# Altium PCB FOC-PMSM.PcbDoc (part 2 of 2)
Units mm, origin at the board's own origin, x right, y up, seen from the top; angles counter-clockwise.
Board outline 99.83 x 99.65 mm, 2 copper layers (Top Layer, Bottom Layer); 90 components, 58 nets, 267 pads, 509 vias.
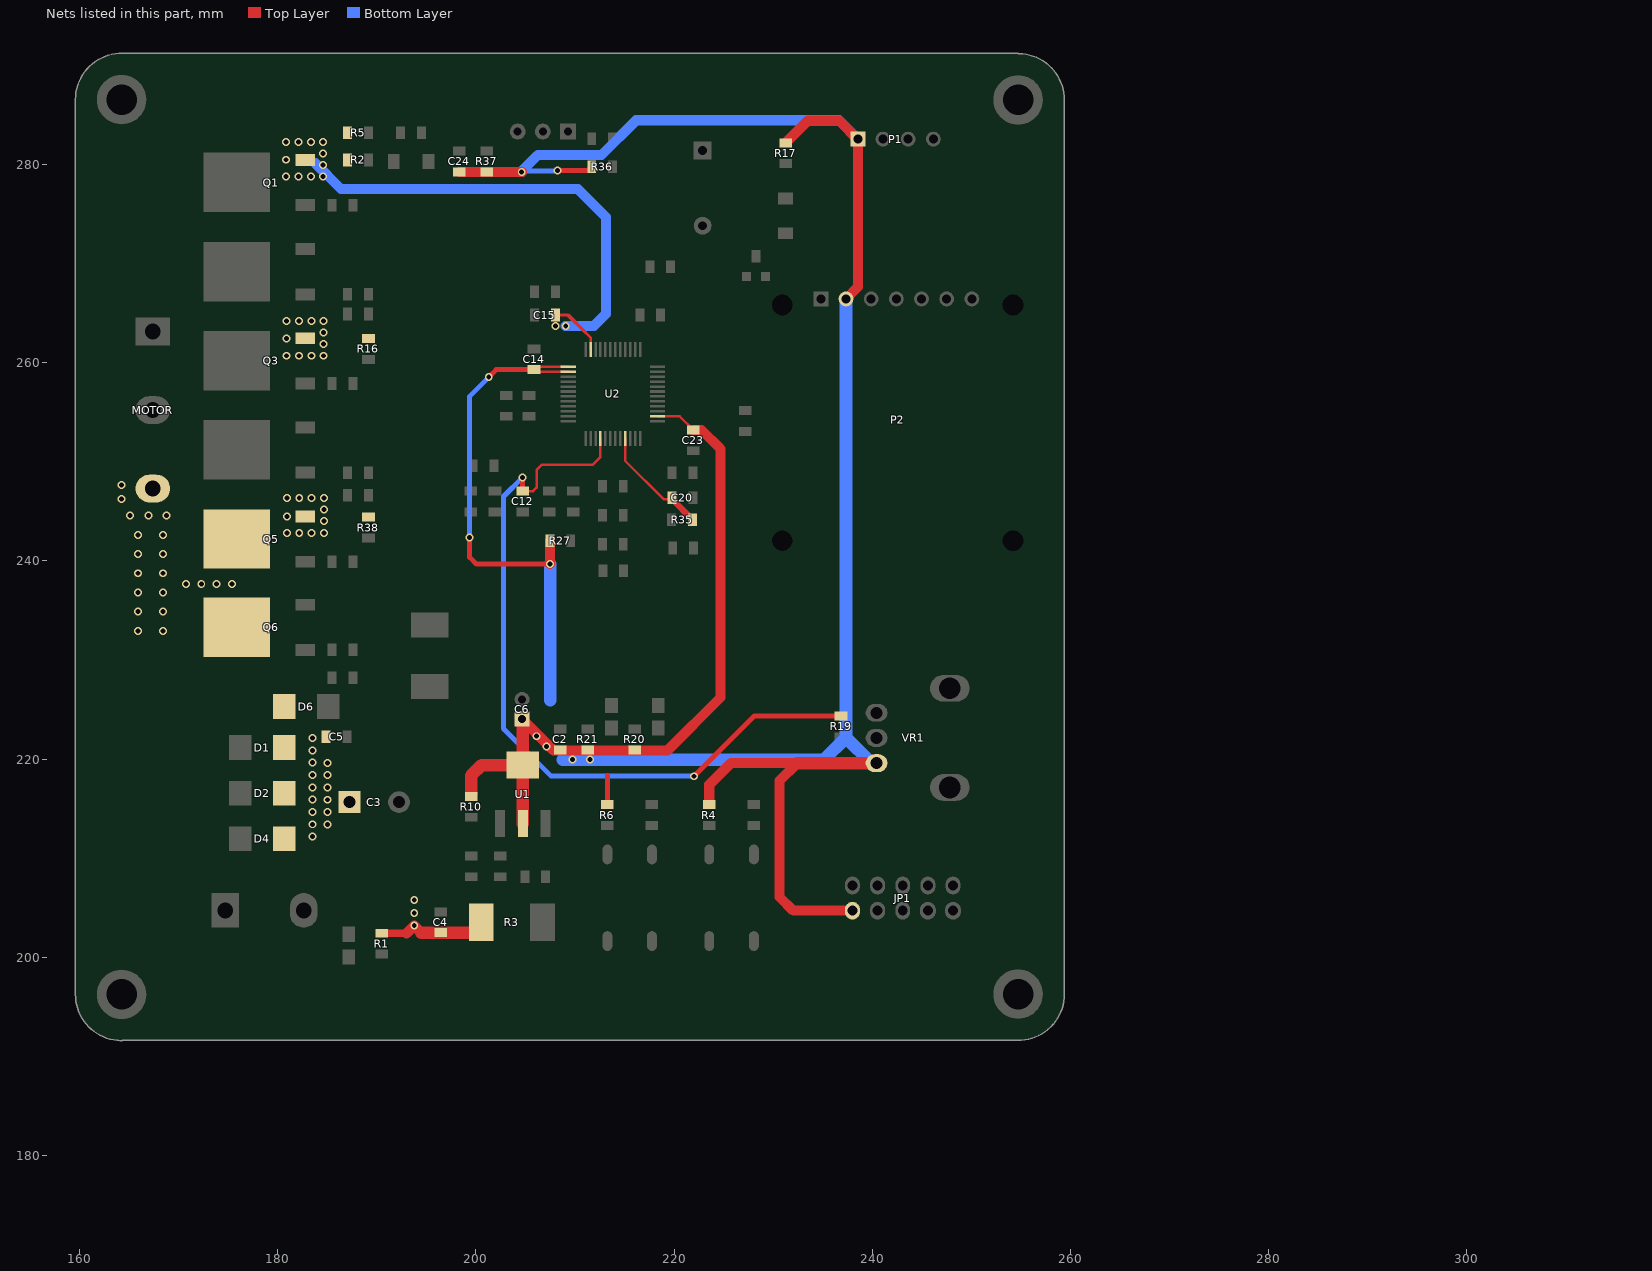
[diagram p2: the nets of this part, all layers, seen from the top]

## Via types
v1: diameter 0.8, hole 0.5, Top Layer to Bottom Layer, tented both sides, 493 vias
v2: diameter 0.8, hole 0.5, Top Layer to Bottom Layer, 16 vias

## Nets (pads, with @x,y where several pads share a name; then routed paths per layer and width w, separated by ;. In a path a pad name is that pad's centre, name@x,y a point inside that pad or via, vN(x,y) a via of type N, cw(c..) or ccw(c..) an arc to the next point about the centre after c; other vN are vias at no path point) (continued)
VCC: C3.1 C4.1 C5.1 C15.2 D1.2 D2.2 D4.2 D6.2 Q1.3 Q3.3 Q5.3 R1.2 R2.2 R3.1 R5.1 R16.2 R38.2 U2.35 | length 62.7
  Top Layer w0.254: C15.2@208.018,264.82 209.296,264.82 ; 211.049,263.068 211.574,262.542 U2.35@211.574,261.349
  Top Layer w0.352: 209.296,264.82 211.049,263.068
  Top Layer w0.762: R1.2@190.5,202.408 193.01,202.408
  Top Layer w1.016: 193.01,202.408 v1(193.777,203.175) 194.484,202.468 ; R3.1@199.49,202.468 R3.1@200.533,203.511
  Top Layer w1.27: 194.484,202.468 C4.1@196.469,202.468 R3.1@199.49,202.468
  Bottom Layer w1.016: 183.794,280.137 186.385,277.546 210.287,277.546 213.131,274.701 213.131,264.947 211.912,263.728 v1(209.067,263.728)
  other v1: 193.777,204.47 193.777,205.765 183.49,212.166 183.49,213.411 185.039,213.407 183.49,214.655 185.039,214.647 185.039,215.887 183.49,215.9 185.039,217.128 183.49,217.145 185.039,218.368 183.49,218.389 185.039,219.608 183.49,219.634 183.49,220.878 183.49,222.123 180.924,242.824 182.169,242.824 183.413,242.824 184.658,242.824 184.658,244.009 180.924,244.5 184.658,245.169 180.924,246.329 182.169,246.329 183.413,246.329 184.658,246.329 180.899,260.706 182.143,260.706 183.388,260.706 184.633,260.706 184.633,261.891 180.899,262.433 184.633,263.051 208.051,263.703 180.899,264.211 182.143,264.211 183.388,264.211 184.633,264.211 180.848,278.79 182.093,278.79 183.337,278.79 184.582,278.79 184.582,279.976 180.848,280.492 184.582,281.136 180.848,282.296 182.093,282.296 183.337,282.296 184.582,282.296
VDD5: C2.1 C6.1 C14.1 C23.2 C24.1 JP1.1 P1.1 P2.2 R4.1 R6.1 R10.2 R17.1 R20.1 R21.1 R27.2 R36.1 R37.1 U1.2 U1.4 U2.14 U2.37 U2.38 VR1.1 | length 336.4
  Top Layer w0.254: U2.38@209.324,259.099 206.068,259.099 C14.1@205.867,259.3 206.166,259.599 U2.37@209.324,259.599 ; U2.14@218.324,254.599 220.567,254.599 C23.2@221.945,253.221
  Top Layer w0.508: v1(199.365,242.341) 199.365,240.36 200.05,239.674 v1(207.493,239.674) ; v1(201.295,258.547) 201.295,258.555 202.04,259.3 C14.1@205.867,259.3 ; v1(204.625,279.276) v1@204.673,279.324 ; v1(208.255,279.4) 211.311,279.4 R36.1@211.692,279.781 ; R6.1@213.269,215.392 213.269,218.353
  Top Layer w1.016: C24.1@198.323,279.276 R37.1@201.092,279.276 v1(204.625,279.276) ; C6.1@204.664,224.028 204.738,223.954 207.813,220.878 219.354,220.878 224.688,226.212 224.688,251.308 222.775,253.221 C23.2@221.945,253.221 ; R27.2@207.475,242.037 207.493,242.019 v1(207.493,239.674) ; R4.1@223.556,215.722 223.556,217.409 225.73,219.583 VR1.1@240.443,219.583 ; R17.1@231.381,282.308 233.502,284.429 236.703,284.429 P1.1@238.557,282.575 238.557,267.64 P2.2@237.363,266.446 ; 232.435,219.583 230.657,217.805 230.657,206.07 232.039,204.688 JP1.1@238.007,204.688
  Top Layer w1.27: R10.2@199.517,216.535 199.517,218.313 200.591,219.387 U1.4@204.738,219.387 ; U1.2@204.738,213.487 U1.4@204.738,219.387 ; C6.1@204.738,223.954 U1.4@204.738,219.387 ; 232.435,219.583 VR1.1@240.443,219.583
  Bottom Layer w0.508: v1(199.365,242.341) 199.365,256.616 v1(201.295,258.547) ; v1(204.625,279.276) 204.625,279.301 204.699,279.375 208.229,279.375 v1(208.255,279.4)
  Bottom Layer w1.016: v1(204.625,279.276) 204.625,279.352 206.248,280.975 212.674,280.975 216.179,284.48 236.652,284.48 P1.1@238.557,282.575 ; VR1.1@239.928,219.583 VR1.1@240.443,219.583
  Bottom Layer w1.27: 207.493,225.958 v1(207.493,239.674) ; 208.753,219.939 235.153,219.939 237.363,222.148 ; P2.2@237.363,266.446 237.363,222.148 ; VR1.1@239.928,219.583 237.363,222.148
  other v1: 211.506,219.939 209.753,219.964 207.112,221.259 206.121,222.301
VHALF: C20.2 R35.2 U2.9 | length 11.5
  Top Layer w0.254: U2.9@215.074,252.349 215.074,250.102 218.973,246.203 C20.2@219.803,246.203
  Top Layer w0.635: C20.2@219.803,246.203 R35.2@221.861,244.145
VSP: C12.1 R19.2 U2.4 | length 78.3
  Top Layer w0.254: C12.1@204.724,247.049 205.774,247.049 206.121,247.396 206.121,249.174 206.629,249.682 211.785,249.682 212.574,250.471 U2.4@212.574,252.349
  Top Layer w0.508: C12.1@204.724,247.049 v1(204.724,248.437) ; v1(222.021,218.262) 228.109,224.35 R19.2@236.855,224.35
  Bottom Layer w0.508: v1(204.724,248.437) 202.794,246.507 202.794,223.063 207.594,218.262 v1(222.021,218.262)
W: MOTOR.3 Q5.2 Q6.2
  other v1: 165.887,232.943 168.402,232.943 165.887,234.879 168.402,234.879 165.887,236.814 168.402,236.814 170.724,237.668 172.278,237.668 173.833,237.668 175.387,237.668 165.887,238.75 168.402,238.75 165.887,240.685 168.402,240.685 165.887,242.621 168.402,242.621 165.1,244.602 166.941,244.602 168.783,244.602 164.211,246.253 164.211,247.65
pads on no net: JP1.2 JP1.4 JP1.6 JP1.8 JP1.9 JP1.10 P2.A P2.B P2.C P2.D U2.1 U2.2 U2.18 U2.23 U2.27 U2.42 U2.43 U2.44 U2.45 U2.46 U2.47 U2.48 VR1.4 VR1.5
copper on no net:
  other v2: 311.271,241.034 312.471,241.034 313.671,241.034 314.871,241.034 311.271,242.234 312.471,242.234 313.671,242.234 314.871,242.234 311.271,243.434 312.471,243.434 313.671,243.434 314.871,243.434 311.271,244.634 312.471,244.634 313.671,244.634 314.871,244.634

## Polygon pours and split planes (outlines as drawn)
no net on Top Overlay "Top Overlay-No Net" (solid, pour order 0): 240.589,232.797 240.589,229.87 252.552,229.87 252.552,229.895 252.832,229.87 252.527,229.921
GND on Bottom Layer "Top Overlay-No Net" (solid, remove dead copper, pour order 152): 198.433,195.58 249.428,195.58 258.14,204.292 258.14,222.555 252.095,228.6 235.712,218.44 245.974,206.422 235.712,201.93 221.488,201.93 219.558,213.875
W on Bottom Layer "Top Overlay-No Net" (solid, remove dead copper, pour order 128): 163.754,249.047 168.351,249.047 169.418,247.98 169.418,246.228 169.926,245.72 174.904,245.72 175.87,245.72 176.251,245.339 176.428,245.161 176.428,243.027 176.428,229.641 175.92,229.133 175.59,228.803 164.567,228.803 163.576,228.803 162.992,229.387 162.636,229.743 162.636,247.929
V on Bottom Layer "Top Overlay-No Net" (solid, remove dead copper, pour order 126): 163.525,258.597 162.56,257.632 162.56,254.356 162.56,253.111 163.601,252.07 170.358,252.07 172.39,250.038 172.39,248.869 172.39,248.336 172.923,247.802 175.946,247.802 176.53,248.387 176.53,262.636 175.819,263.347 173.888,263.347 172.974,263.347 172.695,263.068 172.39,262.763 172.39,261.925 172.39,260.68 170.307,258.597
U on Bottom Layer "Top Overlay-No Net" (solid, remove dead copper, pour order 122): 163.322,260.858 162.509,261.671 162.509,268.224 162.509,281.457 162.814,281.762 163.652,282.6 169.215,282.6 175.565,282.6 176.581,281.584 176.581,266.7 175.565,265.684 170.256,265.684 169.393,264.82 169.393,261.544 168.707,260.858
VDD5 on Bottom Layer "Top Overlay-No Net" (solid, remove dead copper, pour order 4): 207.924,226.771 214.706,219.989 214.706,219.786 209.448,219.786 208.839,220.396
GND on Bottom Layer "Top Overlay-No Net" (solid, remove dead copper, pour order 26): 241.097,282.575 237.82,285.852 241.148,285.852 242.062,285.852 243.027,284.886 243.18,285.039 243.561,285.039
VCC on Bottom Layer "Top Overlay-No Net" (solid, remove dead copper, pour order 22): 190.5,207.34 189.509,208.331 180.238,208.331 178.968,209.601 178.968,281.407 178.968,282.804 180.162,283.997 186.182,283.997 187.3,282.88 187.3,219.38 188.824,217.856 188.824,214.347 189.584,213.587 194.666,213.587 195.377,212.876 195.377,212.213 195.377,202.032 195.377,201.828 195.072,201.524 190.983,201.524 190.5,202.006
VCC on Bottom Layer "Top Overlay-No Net" (solid, remove dead copper, pour order 18): 210.109,264.236 209.702,264.643 207.696,264.643 207.467,264.643 207.061,264.236 207.061,263.068 207.416,262.712 209.372,262.712 209.677,262.712 210.287,263.322
VDD5 on Bottom Layer "Top Overlay-No Net" (solid, remove dead copper, pour order 16): 203.911,223.266 207.874,219.304 213.055,219.304 207.162,225.196 207.162,226.543 205.384,224.765
VDD5 on Bottom Layer "Top Overlay-No Net" (solid, remove dead copper, pour order 14): 240.443,219.583 240.513,219.513 240.513,218.694 235.483,218.694 234.188,219.786 240.239,219.38
GND on Bottom Layer "Top Overlay-No Net" (solid, remove dead copper, pour order 12): 241.097,282.575 241.097,283.794 239.395,285.496 240.055,286.156 240.055,286.207 239.776,286.207 239.471,286.512 241.427,286.512 242.011,286.512 243.307,285.217 241.706,283.616 241.427,283.616 240.919,283.616 240.64,283.337
VDD5 on Bottom Layer "Top Overlay-No Net" (solid, remove dead copper, pour order 10): 204.699,278.892 204.775,278.968 208.28,278.968 208.509,278.968 210.109,280.695 206.248,280.518 206.045,280.721 204.749,279.425 204.749,278.994
VDD5 on Bottom Layer "Top Overlay-No Net" (solid, remove dead copper, pour order 2): 207.996,227.36 205.181,224.028 204.664,224.028 205.588,224.028 209.067,220.548 206.019,223.596 205.511,223.596 205.562,223.596 209.169,219.989
VDD5 on Bottom Layer "Top Overlay-No Net" (solid, remove dead copper, pour order 6): 237.9,221.818 236.884,221.818 234.344,219.278 234.369,219.304 240.948,219.304 240.44,219.304 237.9,221.844
VCC on Bottom Layer "Top Overlay-No Net" (solid, remove dead copper, pour order 28): 186.842,275.107 189.281,277.546 186.868,279.959 186.817,279.959 186.817,275.361 187.249,274.93
no net on Bottom Layer "Top Overlay-No Net" (solid, pour order 103): 185.522,195.148 185.318,194.945 185.318,193.167 185.318,192.913 185.801,192.43 185.826,192.405 197.409,192.405 200.431,192.405 200.482,192.354 200.533,192.405 233.02,192.405 233.324,192.405 233.807,192.888 233.782,192.913 233.782,194.589 233.782,194.92 233.426,195.275 233.35,195.351 233.02,195.351 185.674,195.351 185.268,194.945 185.268,194.64 185.318,194.589
NetD1_1 on Bottom Layer "Top Overlay-No Net" (solid, remove dead copper, pour order 117): 177.419,200.508 177.419,222.428 176.581,223.266 176.53,223.317 171.704,223.317 164.262,223.317 162.814,221.869 162.814,201.295 164.567,199.542 176.454,199.542
GND on Bottom Layer "Top Overlay-No Net" (solid, remove dead copper, pour order 154): 192.659,207.923 180.11,207.923 179.578,207.391 179.07,206.883 179.07,198.755 179.07,196.596 179.705,195.961 180.086,195.58 192.659,195.58
GND on Bottom Layer "Top Overlay-No Net" (solid, remove dead copper, pour order 156): 258.14,278.435 247.142,289.433 192.405,289.433 190.5,289.433 187.96,286.893 187.96,280.67 187.96,279.273 188.747,278.486 202.463,278.486 204.064,282.169 205.41,282.931 205.918,282.169 206.477,281.864 207.518,281.864 208.064,282.41 208.064,284.086 208.496,284.518 210.083,284.518 210.515,284.086 210.515,282.651 210.998,282.169 212.014,282.169 212.357,282.512 215.29,285.445 237.973,285.445 239.985,283.432 239.985,281.667 239.547,281.229 237.617,281.229 237.465,281.381 237.465,281.808 236.753,283.058 236.284,283.527 225.006,283.527 224.358,282.88 224.358,280.365 223.825,279.832 221.818,279.832 221.285,280.365 221.285,283.413 220.701,283.997 216.769,283.997 212.795,280.861 212,280.377 211.277,279.654 211.277,277.651 211.941,277.141 212.09,264.287 201.27,253.467 202.603,248.755 203.403,248.488 204.025,248.841 201.27,247.279 201.27,218.948 224.282,218.948 221.817,216.483 221.817,203.506 223.266,202.057 238.76,202.057 239.801,203.098 239.878,203.784 239.42,203.937 238.989,203.937 244.043,207.01 247.574,207.01 249.301,202.057 258.14,210.896
GND on Bottom Layer "Top Overlay-No Net" (solid, remove dead copper, pour order 160): 189.992,225.933 189.992,227.152 190.346,227.733 190.395,227.815 190.435,227.94 190.435,227.99 190.435,228.411 190.094,228.752 189.961,260.777 194.361,265.176 220.218,265.176 220.218,255.016 196.469,231.267 196.469,228.854 197.675,227.647 196.596,226.568 196.596,219.329
GND on Bottom Layer "Top Overlay-No Net" (solid, remove dead copper, pour order 162): 189.992,226.662 189.992,215.163 191.148,214.008 189.992,208.661 189.992,195.58 206.375,195.58 218.948,208.153 221.361,210.566 221.361,225.425 221.361,226.06 219.71,227.711 218.186,226.187 201.016,226.187 201.016,226.568 199.238,228.346 194.513,228.346
GND on Top Layer "Top Overlay-No Net" (solid, pour order 184): 258.166,272.639 258.166,259.156 256.286,257.277 253.492,260.071 247.117,260.071 247.117,269.037 250.337,272.258
GND on Top Layer "Top Overlay-No Net" (solid, remove dead copper, pour order 182): 196.263,278.613 194.64,278.613 194.005,279.248 194.005,283.896 194.005,285.852 195.351,287.198 195.635,287.482 223.924,287.482 222.602,286.16 222.602,283.265 223.977,282.727 221.793,282.727 221.336,282.727 221.336,280.028 222.515,279.114 226.105,279.114 226.606,278.613 226.606,277.914 225.603,276.911 224.231,276.911 226.105,279.114 229.565,279.114 229.921,278.274 229.921,275.768 229.921,274.22 228.526,273.431 227.66,273.431 227.14,273.951 223.603,272.745 225.628,272.745 226.105,272.294 226.105,271.139 225.774,270.808 218.446,270.808 217.28,271.975 217.28,277.969 215.062,280.187 215.062,283.058 215.062,283.337 214.02,284.378 213.797,284.602 201.549,284.602 201.364,284.602 197.691,280.929 196.644,279.882 196.644,278.994
GND on Top Layer "Top Overlay-No Net" (solid, remove dead copper, pour order 178): 222.504,260.136 232.326,260.136 232.603,260.136 234.823,262.433 236.203,263.804 236.195,266.444 232.893,266.903 230.784,268.681 228.752,268.299 228.752,267.706 228.295,267.249 227.035,267.249 221.615,264.414 222.504,263.525
GND on Top Layer "Top Overlay-No Net" (solid, remove dead copper, pour order 168): 249.047,195.961 249.809,195.961 258.166,204.318 258.166,260.308 254.711,263.144 250.444,264.541 247.777,263.398 240.919,256.54 233.426,256.54 231.382,256.54 229.743,255.397 228.219,254.334 226.996,254.334 226.187,253.525 226.187,250.825 226.187,240.665 227.711,239.141 227.711,237.998 227.711,226.621 229.674,225.247 237.756,225.247 239.649,223.647 241.046,223.52 242.011,222.831 242.011,219.075 241.097,218.161 236.347,218.161 232.893,218.161 231.712,216.98 231.712,212.725 231.712,206.388 232.448,205.651 239.357,205.651 237.756,206.681 236.86,207.645 249.047,207.645 249.047,204.978 245.161,204.978 240.309,200.127 233.629,200.127 227.318,200.127 226.593,201.105 226.593,210.972 226.009,211.557 222.682,211.557 222.504,211.379 222.504,197.18 223.723,195.961 249.809,195.961
no net on Top Layer "Top Overlay-No Net" (solid, pour order 120): 193.192,194.589 193.218,194.564 193.218,192.938 193.218,192.786 193.573,192.43 193.599,192.405 196.494,192.405 200.762,192.405 207.035,192.405 225.222,192.405 225.374,192.557 225.704,192.888 225.704,192.913 225.704,193.929 225.654,193.98 225.654,194.589 225.654,194.894 225.298,195.25 225.196,195.351 224.307,195.351 217.297,195.351 217.246,195.402 217.195,195.351 202.768,195.351 193.65,195.351 193.497,195.199 193.192,194.894 193.192,194.589
NetD1_1 on Top Layer "Top Overlay-No Net" (solid, remove dead copper, pour order 78): 162.687,221.742 164.262,223.317 176.555,223.317 177.419,222.453 177.419,200.863 177.419,200.558 176.428,199.568 164.49,199.568 162.687,201.37
W on Top Layer "Top Overlay-No Net" (solid, remove dead copper, pour order 76): 168.291,251.19 170.815,248.666 170.815,247.498 170.815,247.345 172.542,245.618 172.923,245.237 179.222,245.237 179.222,229.921 178.156,228.854 163.551,228.854 162.585,229.819 162.585,250.419 163.357,251.19
V on Top Layer "Top Overlay-No Net" (solid, remove dead copper, pour order 72): 168.935,252.806 163.424,252.806 163.398,252.832 162.509,253.721 162.509,254.102 162.509,256.997 163.246,257.734 163.271,257.759 169.189,257.759 169.189,253.06 168.935,252.806
I_SHUNT on Top Layer "Top Overlay-No Net" (solid, remove dead copper, pour order 64): 180.645,273.964 196.901,273.964 197.815,273.05 197.815,234.925 197.815,232.867 197.206,232.258 192.913,232.258 192.405,232.258 191.516,233.147 180.899,233.147 180.213,233.832 180.213,237.363 180.213,237.388 180.823,237.998 191.059,237.998 191.059,238.023 192.278,239.243 192.278,250.012 191.287,251.003 181.204,251.003 180.746,251.003 180.188,251.562 180.188,255.067 180.188,255.397 180.696,255.905 191.745,255.905 192.278,256.438 192.278,268.427 191.643,269.062 180.848,269.062 180.797,269.062 180.238,269.621 180.238,273.558
VDD5 on Top Layer "Top Overlay-No Net" (solid, remove dead copper, pour order 62): 204.699,216.51 204.622,216.51 202.108,219.024 202.26,219.177 202.26,219.913 204.572,222.225 204.851,222.504 205.207,222.504 205.207,221.92 207.772,219.354 207.747,219.329 207.747,219.304 207.62,219.304 205.334,217.018 205.156,216.84 204.114,216.84
NetC8_1 on Top Layer "Top Overlay-No Net" (solid, remove dead copper, pour order 46): 191.719,280.326 191.719,280.467 189.509,282.677 189.459,282.727 189.459,282.981 190.297,282.981 190.322,283.007 190.449,283.134 191.872,283.134 191.872,280.478 191.719,280.326
GND on Top Layer "Top Overlay-No Net" (solid, remove dead copper, pour order 32): 233.477,255.626 233.477,254.991 232.994,254.508 233.35,254.152 236.169,254.152 236.195,254.127 236.779,254.711 236.779,256.244 235.661,256.261 235.153,255.626
VCC on Top Layer "Top Overlay-No Net" (solid, remove dead copper, pour order 80): 185.522,277.851 187.503,279.832 187.503,283.413 187.503,284.277 187.122,284.658 180.746,284.658 180.315,284.226 180.315,278.587 180.315,278.562 181.026,277.851
VCC on Top Layer "Top Overlay-No Net" (solid, remove dead copper, pour order 90): 179.461,226.578 179.461,210.718 184.48,210.718 188.341,214.579 188.341,220.193 187.808,220.726 187.782,220.751 186.055,220.751 185.979,220.751 185.496,221.234 185.496,222.783 185.141,223.139 182.753,223.139 182.372,223.52 182.372,226.619 182.016,226.974 179.857,226.974
GND on Top Layer "Top Overlay-No Net" (solid, remove dead copper, pour order 92): 186.563,223.444 185.877,224.13 185.877,225.095 185.877,226.543 190.754,226.543 191.313,227.101 191.338,227.127 191.338,228.041 191.338,228.117 191.77,228.549 191.821,228.6 194.716,228.6 195.097,228.981 195.148,229.032 195.529,229.032 195.555,229.032 195.92,228.667 208.258,228.667 217.554,237.963 218.821,237.963 220.166,239.308 222.174,239.308 223.799,237.682 223.799,226.593 222.83,225.624 222.314,225.624 219.851,226.593 217.073,226.593 216.586,226.289 215.163,226.289 214.568,226.67 212.75,226.67 212.369,226.289 212.369,224.561 211.861,224.053 210.344,224.053 209.474,222.555 207.467,222.555 206.045,223.977 206.045,224.942 205.715,225.273 203.454,225.273 203.213,225.031 203.213,223.101 202.667,222.555 198.066,222.555 197.612,222.148 197.612,209.779 198.844,208.547 198.679,207.696 196.723,206.578 196.06,206.2 195.351,206.908 190.119,206.908 189.662,206.451 189.662,204.216 188.811,203.365 188.811,202.438 187.922,201.549 185.623,201.549 184.81,200.736 184.81,198.933 179.781,198.933 179.095,199.619 179.095,208.356 180.543,209.804 185.268,209.804 191.008,215.544 191.008,217.983 191.618,218.592 191.008,217.983 191.008,223.495 190.449,224.053 188.011,224.053 187.96,224.053 187.35,223.444
VCC on Top Layer "Top Overlay-No Net" (solid, remove dead copper, pour order 94): 192.853,206.248 194.183,206.248 194.666,206.248 194.869,206.045 194.869,203.632 195.491,203.009 195.402,202.921 195.402,202.006 194.869,201.473 194.208,201.473 192.989,201.473 192.303,202.159 192.278,202.768 192.659,203.149 192.659,202.794 192.659,206.054
VCC on Top Layer "Top Overlay-No Net" (solid, remove dead copper, pour order 96): 198.755,202.997 199.466,203.708 199.542,203.708 199.314,202.743 199.288,201.625 198.679,202.184 198.526,202.184 198.526,202.768 198.78,203.022
no net on Top Layer "Top Overlay-No Net" (solid, pour order 101): 185.217,289.408 185.268,289.357 185.268,288.087 185.268,287.934 185.522,287.68 185.623,287.579 233.223,287.579 233.451,287.579 233.731,287.858 233.731,290.017 233.731,290.17 233.426,290.474 233.401,290.5 231.14,290.5 185.496,290.5 185.395,290.398 185.268,290.271 185.268,289.357
U on Top Layer "Top Overlay-No Net" (solid, remove dead copper, pour order 70): 168.529,259.461 169.596,260.528 170.977,261.909 170.993,261.925 170.993,263.83 170.993,264.109 172.517,265.633 172.568,265.684 178.105,265.684 179.349,265.684 179.349,266.878 179.349,280.365 179.349,280.467 179.349,281.711 178.562,282.499 163.569,282.499 162.509,281.439 162.509,260.934 162.509,260.299 163.297,259.512 163.347,259.461
NetB1_1 on Top Layer "Top Overlay-No Net" (solid, remove dead copper, pour order 105): 230.835,278.562 229.591,279.806 229.108,279.806 230.48,279.806 230.784,280.111 230.81,280.086 230.81,278.46
NetB1_2 on Top Layer "Top Overlay-No Net" (solid, remove dead copper, pour order 107): 227.609,272.898 227.66,272.847 229.667,272.847 228.905,272.847 227.965,271.907 227.609,272.263 227.609,272.923
VCC on Top Layer "Top Overlay-No Net" (solid, remove dead copper, pour order 109): 209.557,263.195 209.525,263.195 207.645,263.195 207.543,263.296 207.543,265.506 207.721,265.684 208.509,265.684 208.737,265.684 210.922,263.5 210.922,263.195
BZ on Top Layer "Top Overlay-No Net" (solid, remove dead copper, pour order 111): 216.662,262.103 216.687,262.103 217.5,262.915 217.602,262.814 217.602,262.377 216.878,261.653 216.732,261.798 216.535,261.798 216.535,261.95 216.687,262.103
VCC on Top Layer "Top Overlay-No Net" (solid, remove dead copper, pour order 115): 180.823,264.922 184.912,264.922 186.842,262.992 189.789,262.992 189.84,262.941 189.84,261.95 189.789,261.899 186.665,261.899 186.106,261.341 184.836,260.071 181.407,260.071 180.746,260.071 180.315,260.502 180.315,264.414
GND on Top Layer "Top Overlay-No Net" (solid, remove dead copper, pour order 119): 216.967,253.682 216.967,259.969 210.693,259.969 210.693,254.94 211.95,253.682 216.967,253.682
VCC on Top Layer "Top Overlay-No Net" (solid, remove dead copper, pour order 88): 180.797,242.113 185.191,242.113 186.56,243.916 189.763,243.916 189.865,244.018 189.865,244.856 189.763,244.958 186.461,244.958 185.191,246.939 180.772,246.939 180.696,246.939 180.264,246.507 180.238,246.482 180.238,242.799 180.238,242.621
GND on Top Layer "Top Overlay-No Net" (solid, remove dead copper, pour order 170): 222.504,260.136 221.956,260.136 218.313,263.779 218.186,263.906 218.186,264.287 218.186,267.716 218.44,267.97 219.075,268.605 225.679,268.605 227.035,267.249
GND on Top Layer "Top Overlay-No Net" (solid, remove dead copper, pour order 176): 231.387,265.448 229.241,268.484 232.537,271.78 232.537,279.781 232.537,281.635 233.858,283.489 236.322,283.489 236.753,283.058 238.175,279.362 239.7,283.413 239.7,283.718 239.331,284.086 237.058,285.369 233.426,285.369 231.394,284.861 230.124,283.265 230.124,281.559 229.489,280.924 224.942,280.924 222.504,283.362 222.504,286.817 223.164,287.477 249.123,287.477 258.166,278.435 258.166,271.391 254.88,268.105 252.459,265.684
VDD5 on Top Layer "Top Overlay-No Net" (solid, remove dead copper, pour order 186): 212.293,215.24 212.293,216.357 212.293,216.611 211.709,217.195 211.498,217.407 205.029,217.407 205.029,223.61 204.738,223.901 207.761,220.878 207.813,220.878 219.202,220.878 219.253,220.828 220.015,220.828 218.516,219.329 215.367,216.179 215.367,215.849 215.367,215.265 215.011,214.909 212.623,214.909
GND on Top Layer "Top Overlay-No Net" (solid, remove dead copper, pour order 188): 206.502,260.96 205.918,260.375 202.489,260.375 201.981,260.375 201.168,261.188 200.939,261.417 200.939,263.982 200.939,264.262 201.879,265.201 202.032,265.354 204.749,265.354 204.978,265.354 205.842,266.217 206.016,266.043 206.121,266.043 206.121,265.963 206.451,265.633 206.654,265.43 206.654,262.839 206.654,262.788 207.112,262.331 207.15,262.293 210.983,262.293 211.201,262.103 210.7,261.463 207.006,261.463
VDD5 on Top Layer "Top Overlay-No Net" (solid, remove dead copper, pour order 190): 230.149,217.754 228.651,219.253 228.651,219.634 232.867,219.634 232.918,219.583 231.064,217.729 230.149,217.729
VDD5 on Top Layer "Top Overlay-No Net" (solid, remove dead copper, pour order 192): 232.512,220.218 225.654,220.218 225.019,219.583 225.146,219.456 230.657,219.456 232.181,219.456 232.537,219.812 232.512,219.837 232.512,220.218
GND on Top Layer "Top Overlay-No Net" (solid, remove dead copper, pour order 180): 179.095,199.898 179.095,196.571 180.162,195.504 249.352,195.504 249.809,195.961 245.593,200.177 223.495,200.177 222.504,200.177 221.742,199.415 221.005,198.679 185.674,198.679 184.455,199.898
GND on Top Layer "Top Overlay-No Net" (solid, remove dead copper, pour order 194): 222.504,202.895 219.761,200.152 192.252,200.152 190.703,198.603 191.694,197.612 209.169,197.612 223.266,197.612 223.444,197.434 223.926,197.917 223.926,202.692 223.926,204.368 223.698,204.597 223.037,203.937 223.037,203.276 222.885,203.276
GND on Top Layer "Top Overlay-No Net" (solid, remove dead copper, pour order 200): 217.018,197.206 224.257,197.206 224.257,210.744 226.606,209.017 226.606,211.239 225.679,212.166 221.92,212.166 216.154,212.166 215.316,211.328 215.316,201.346 214.097,200.127 215.316,195.91 216.154,197.561
GND on Top Layer "Top Overlay-No Net" (solid, remove dead copper, pour order 204): 206.578,196.322 206.578,199.415 208.585,201.422 208.585,205.994 207.95,207.467 207.95,216.205 208.661,216.916 210.744,216.916 210.947,216.916 211.658,216.205 211.811,216.052 211.811,201.549 211.811,201.193 213.081,199.923 209.479,196.322

## Keep-outs
Keep-Out Layer:
  lines w0.635: 159.888,196.24 ccw(c164.236,196.24) 164.236,191.892 ; 159.888,286.563 cw(c164.236,286.563) 164.236,290.911 ; 159.893,196.266 159.893,286.563 ; 163.855,191.906 254.94,191.906 ; 164.008,290.906 254.711,290.906 ; 254.737,191.917 ccw(c254.737,196.266) 259.085,196.266 ; 254.737,290.886 cw(c254.737,286.537) 259.085,286.537 ; 259.08,196.266 259.08,286.563

## Other copper
Top Layer:
  region net GND: 247.904,203.048 246.126,204.826 245.264,203.963 247.042,202.185
  region net GND: 244.397,202.49 246.175,204.268 245.313,205.13 243.535,203.352
  rectangle net GND: 244.829,202.057 246.431,204.606
  region net GND: 225.489,210.02 226.593,211.125 226.162,211.557 225.057,210.452
  rectangle net GND: 225.501,209.799 226.593,211.125
  rectangle net GND: 224.765,210.185 226.162,211.557
  rectangle net GND: 223.586,210.562 224.076,210.947
  rectangle net GND: 222.504,209.711 224.076,210.82
  rectangle net GND: 235.077,263.804 236.203,266.446
  rectangle net VCC: 184.658,264.922 184.912,264.922
  region net V: 176.012,252.161 171.228,256.946 167.974,253.692 172.758,248.907
  region net V: 169.777,252.549 176.479,259.252 173.314,262.417 166.611,255.715
  rectangle net V: 172.517,248.26 179.273,263.22
  rectangle net GND: 186.512,221.615 187.427,224.688
  region net GND: 210.955,261.882 211.201,262.128 211.036,262.293 210.79,262.047
  rectangle net GND: 211.037,261.893 211.201,262.128
  rectangle net GND: 210.79,262.047 211.036,262.293
  rectangle net VDD5: 206.256,259.131 206.68,259.509
Bottom Layer:
  region net GND: 246.969,204.331 245.818,205.482 245.384,205.049 246.536,203.897
  region net GND: 244.641,203.805 245.792,204.956 245.359,205.39 244.207,204.238
  rectangle net GND: 209.931,252.832 217.449,260.883
  rectangle net VDD5: 238.785,219.304 239.903,219.939

## Silkscreen, mask and mechanical layers (free items; w line width, h text height)
Top Overlay:
  lines w0.127: 240.563,229.87 240.563,232.742 252.578,229.87 240.563,229.87
  lines w0.254: 187.604,223.114 187.604,223.368 187.604,223.495 188.062,223.952 ; 193.345,219.126 193.827,219.608 193.954,219.608 ; 193.726,207.137 203.327,207.137 ; 196.723,253.594 206.604,253.594 ; 206.959,247.752 206.959,248.463 ; 207.924,208.178 208.636,208.178 ; 208.534,248.437 209.118,247.853 ; 208.585,223.876 208.585,224.587 ; 211.023,219.837 211.023,220.167 ; 211.607,225.146 212.496,225.146 ; 215.544,219.608 215.544,220.116 ; 215.57,241.757 215.57,241.3 216.611,240.259 ; 215.595,244.729 216.611,244.729 ; 219.634,224.942 220.269,224.942
  text "IRM" at 205.359,284.759 h1.5
  text "5V" at 237.058,284.658 h1
  text "GND" at 239.37,284.658 h1
  text "RXD" at 242.57,284.658 h1
  text "TXD" at 245.491,284.658 h1
  text "Bluetooth" at 238.1,278.638 h1.5
  text "OLED" at 238.575,269.085 h1.5
  text "U" at 160.122,262.636 h2 r270
  text "V" at 160.172,255.778 h2 r270
  text "W" at 160.172,249.022 h2 r270
  text "RUN" at 217.043,227.432 h1
  text "ERR" at 212.573,227.381 h1
  text "5V" at 237.294,199.75 h1
  text "FIK" at 239.834,199.75 h1
  text "FID" at 242.374,199.75 h1
  text "GND" at 244.974,199.75 h1
  text "MODE" at 212.776,198.371 h1.5
  text "RESET" at 222.954,198.371 h1.5
  text "DC-" at 180.721,197.434 h1.5
  text "DC+" at 172.288,197.333 h1.5
  text "POWER" at 185.801,196.748 h1
  text "9~36V" at 174.015,193.446 h3
Bottom Overlay:
  drawing of 23637 lines, arcs and shapes, not listed
Top Solder:
  text "2019年3月张雪原教授指导苏金毕业设计作品" at 186.093,288.163 h2.41
  text "无感无刷12V直流电机驱动板" at 194.458,192.964 h2.41
Bottom Solder:
  text "控制工程学院电气工程及其自动化2015级2班" at 232.956,193.04 h2.41

## Dimensions
254.94,191.588 to 254.711,291.224 on Top Layer
159.575,196.296 to 259.398,196.322 on Top Layer